# Altium PCB EVK-IRIS-W1.PcbDoc (part 3 of 9)
Units mm, origin at the board's own origin, x right, y up, seen from the top; angles counter-clockwise.
Board outline 94.11 x 129.93 mm, 6 copper layers (L1, L2, L3, L4, L5, L6), stack 1.547 mm thick; 619 components, 422 nets, 2042 pads, 1499 vias.
Unrouted connection lines stored in the file: 4.
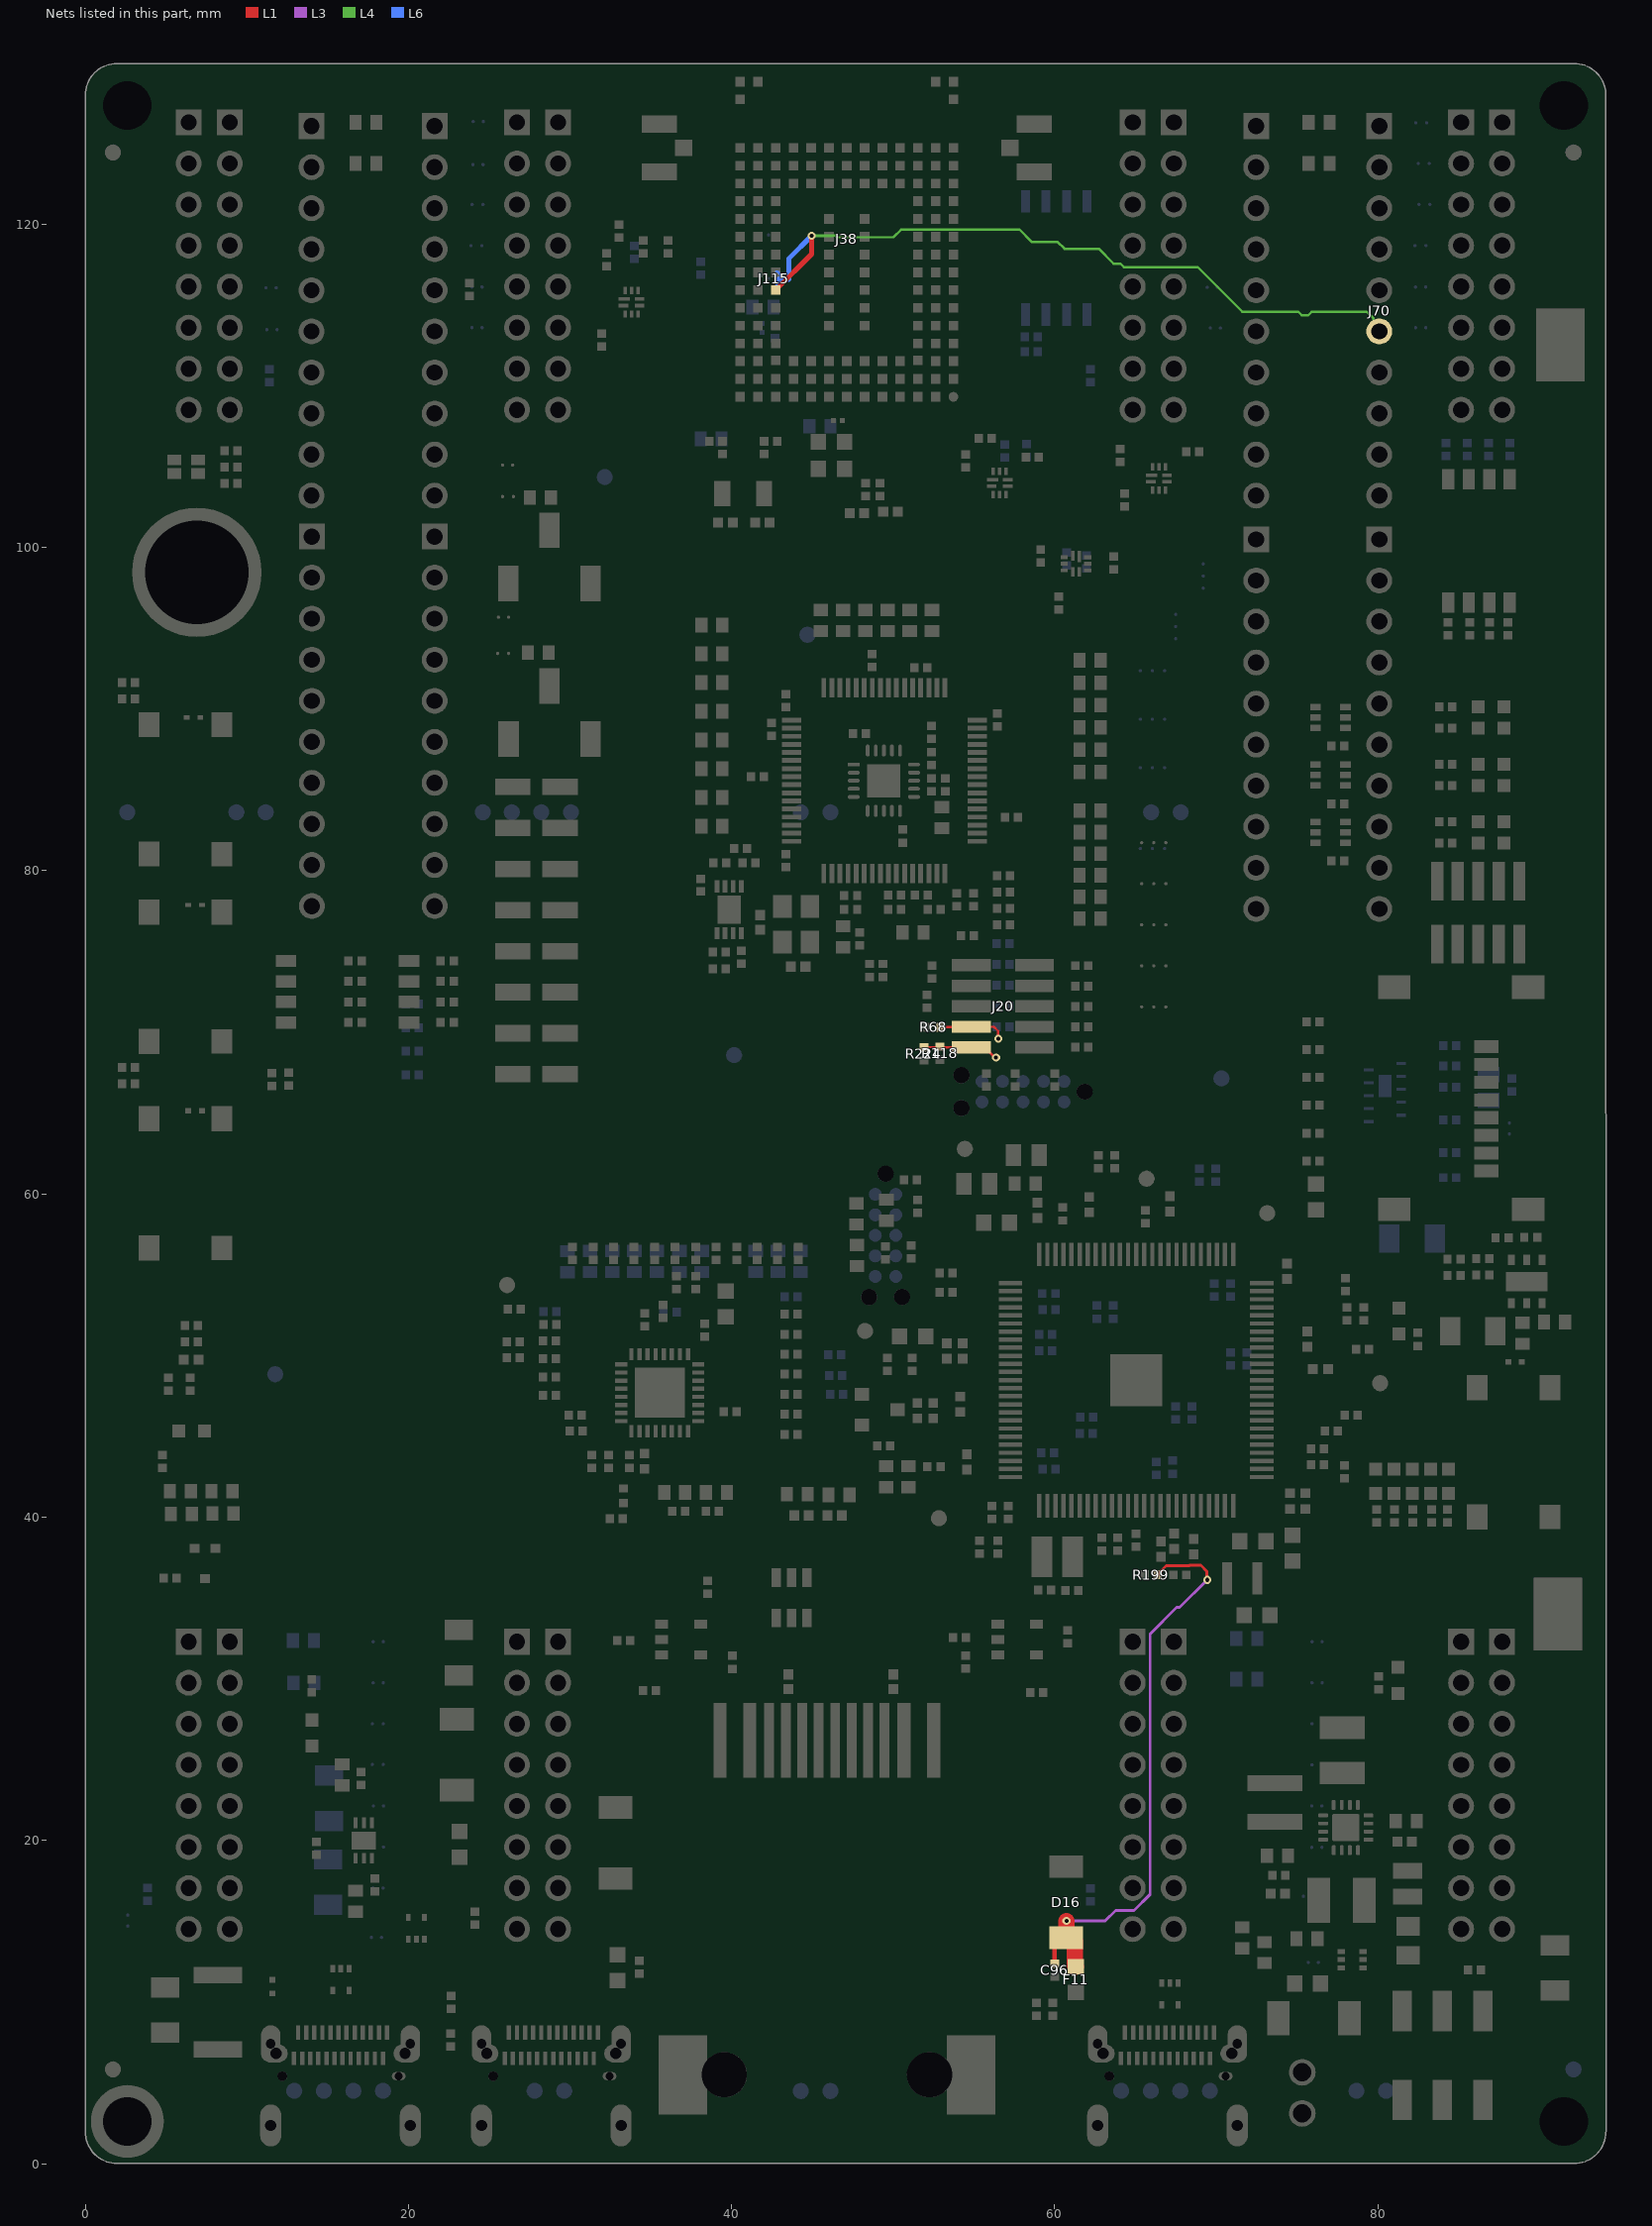
[diagram p7: the nets of this part, all layers, seen from the top]

## Footprints (in the part's own frame and the unit in brackets; to place one, negate y for a bottom-side part, rotate by r counter-clockwise, add the part's x,y. Pads: shape width x height; smd on the part's side, far side on the other; paste and mask are expansions set on the pad) (continued)
Solderbridge-Short [mm]
  round 0.2 smd paste-10: 1(0,0) 2(0.676,0)
  L1 region: 0.236,-0.432 0.16,-0.505 0.042,-0.467 -0.023,-0.424 -0.097,-0.351 -0.15,-0.292 -0.208,-0.193 -0.236,-0.099 -0.231,0.122 -0.206,0.193 -0.122,0.33 -0.038,0.411 0.054,0.469 0.155,0.5 0.206,0.483 0.236,0.43
  L1 region: 0.44,0.432 0.516,0.505 0.634,0.467 0.699,0.424 0.772,0.351 0.826,0.292 0.884,0.193 0.912,0.099 0.907,-0.122 0.881,-0.193 0.798,-0.33 0.714,-0.411 0.622,-0.469 0.521,-0.5 0.47,-0.483 0.44,-0.43
  L1 lines w0.15: 0.676,0 0,0
  L1 lines w0.152: 0.848,0.043 cw(c0.406,0) 0.85,0 cw(c0.406,0) 0.516,-0.431
SON50P201X181X60-7N [mm]
  rect 0.65x0.25 smd: 1(-1.1,0.5) 3(-1.1,-0.5) 4(1.1,-0.5)
  rect 0.65x0.25 smd mask+0: 2(-1.1,0) 5(1.1,0) 6(1.1,0.5)
  rect 1.1x1.5 smd: 7(0,0)
  silkscreen extent -1.55,1 -1.3,1.25, body extent -1.06,-0.91 1.06,0.91, height 0.61
SOP1.27P6.2x6.2-8Pin [mm] "SOP, 8-Leads, Body 6.2x6.2mm, Pitch 1.27mm"
  rect 1.27x0.76 smd: 1(-3.81,1.905) 2(-3.81,0.635) 3(-3.81,-0.635) 4(-3.81,-1.905) 5(3.81,-1.905) 6(3.81,-0.635) 7(3.81,0.635) 8(3.81,1.905)
  silkscreen extent -3.94,-3.1 2.77,3.1, body extent -3.1,-3.1 3.1,3.1, height 2.3
SOT95P280X145-6N [mm]
  rect 1.15x0.6 smd: 1(-1.25,0.95) 2(-1.25,0) 3(-1.25,-0.95) 4(1.25,-0.95) 5(1.25,0) 6(1.25,0.95)
  silkscreen extent -1.83,-1.48 0.33,1.6, body extent -1.4,-1.48 1.4,1.48, height 1.45
SOT-23 [mm] "SOT23, 3-Leads, Body 2.92x2.40mm, Pitch 0.95mm, IPC Medium Density"
  rect 0.9x0.8 smd: 1(-1.1,0.95) 2(-1.1,-0.95) 3(1.1,0)
  silkscreen extent -0.7,-1.55 0.7,1.55, body extent -0.7,-1.52 0.7,1.53, height 1.2
SOT-323 [mm] "SOT23, 3-Leads, Body 2.00x2.10mm, Pitch 0.65mm"
  rect 0.55x0.6 smd: 1(-0.925,0.65) 2(-0.925,-0.65) 3(0.925,0)
  silkscreen extent -0.33,-1.05 0.67,1.05, body extent -0.67,-1.05 0.67,1.05, height 1
SOT-553 [mm] "SOT-553, 5 lead 0.50mm pitch, 1.3mm x 1.7mm"
  rect 0.45x0.3 smd mask+0.05: 1(-0.675,0.5) 2(-0.675,0) 3(-0.675,-0.5) 4(0.675,-0.5) 5(0.675,0.5)
  silkscreen extent -0.92,-0.85 0.3,1.18, body extent -0.68,-0.85 0.67,0.85, height 0.6
SOT-563 [mm] "SOTFL, 6-Leads, Body 1.60x1.60mm, Pitch 0.50mm"
  rect 0.45x0.3 smd: 1(-0.675,0.5) 4(0.675,-0.5) 5(0.675,0) 6(0.675,0.5)
  rect 0.45x0.3 smd mask+0.05: 2(-0.675,0) 3(-0.675,-0.5)
  silkscreen extent -0.89,-0.85 0.05,1.14, body extent -0.8,-0.8 0.8,0.8, height 0.59
sot-753 [mm] "Plastic surface-mounted package; 5 leads"
  rect 0.8x0.55 smd paste+0: 1(-1.2,0.95) 2(-1.2,0) 3(-1.2,-0.95) 4(1.2,-0.95) 5(1.2,0.95)
  silkscreen extent -1.8,-1.68 0.98,1.93, body extent -1.5,-1.55 1.5,1.55, height 1.09
SW_Slide_DPDT_JS202011SCQN [mm] "SWITCH SLIDE DPDT 300MA 6V SMD"
  rect 1.2x2.5 smd mask+0: 1(-2.5,-2.75) 2(0,-2.75) 4(-2.5,2.75) 5(0,2.75)
  rect 1.2x2.5 smd: 3(2.5,-2.75) 6(2.5,2.75)
  silkscreen extent -4.5,-2.47 4.5,1.8, body extent -4.52,-3.75 4.52,3.75, height 5.5
SW_TACT_SMT_6mm [mm] "Tactile Switch, SMT 6mm x 6mm, height 4.3mm, actuator 160gf"
  rect 1.55x1.3 smd: 1(-4,2.25) 3(-4,-2.25) 4(4,-2.25)
  rect 1.5x1.3 smd: 2(4,2.25)
  silkscreen extent -4.5,-3.3 4.5,3.3, body extent -4.5,-3.1 4.5,3.1, height 4.29
TC2050-IDC-NL [mm] "CON PADS FOR CBL PLUG-OF-NAILS 10-PIN NO LEGS"
  round 0.8 smd paste-0.9: 1(0,0) 2(1.27,0) 3(2.54,0) 4(3.81,0) 5(5.08,0) 6(5.08,1.27) 7(3.81,1.27) 8(2.54,1.27) 9(1.27,1.27) 10(0,1.27)
  round 1 hole 1 paste-1.1: A(-1.27,0.635) B(6.35,-0.381) C(6.35,1.651)
  L1 pour cut-out: 0,1.27 5.08,1.27 5.08,0 0,0
TP4.5x3Sq#1 [mm] "Test Point, 4.5mm x 3.0mm Square"
  rect 4.5x3 smd: 1(0,-18.857)
TP4.5x3Sq#2 [mm] "Test Point, 4.5mm x 3.0mm Square"
  rect 4.5x3 smd: 1(0,0)
TP4.5x3Sq#3 [mm] "Test Point, 4.5mm x 3.0mm Square"
  rect 4.5x3 smd far side: 1(-10.042,0)
TP10R#1 [mm] "Testpoint, Round 1.0mm Dia"
  round 1 smd paste-0.5: 1(0,0)
  silkscreen extent -0.7,-0.7 0.7,0.7, body extent -0.5,-0.5 0.5,0.5, height 0.05
TP10R#2 [mm] "Testpoint, Round 1.0mm Dia"
  round 1 smd paste-0.5: 1(0.009,0)
  silkscreen extent -0.7,-0.7 0.7,0.7, body extent -0.5,-0.5 0.5,0.5, height 0.05
TP10R#3 [mm] "Testpoint, Round 1.0mm Dia"
  round 1 smd paste-0.5: 1(0,-0.016)
  silkscreen extent -0.7,-0.7 0.7,0.7, body extent -0.5,-0.5 0.5,0.5, height 0.05
U.FL_3Pin [mm] "U.FL Coax Jack, 50 ohm, 3 Pins, 3mm x 3.1mm"
  rect 1x1.05 smd: 1(0,-1.5)
  rect 1.05x2.2 smd: 2(-1.475,0) 2(1.475,0)
  body extent -1.5,-1.55 1.5,1.55, height 1.24
XQFN10_SOT1337-1_NXP#1 [mm]
  rect 0.7x0.22 smd mask+0.05: 1(-0.449,0.2)
  rect 0.6x0.22 smd paste+0 mask+0.05: 2(-0.5,-0.2) 6(0.5,-0.2) 7(0.5,0.2)
  rect 0.22x0.45 smd paste+0 mask+0: 3(-0.4,-0.725) 8(0.4,0.725)
  rect 0.22x0.45 smd paste+0 mask+0.05: 4(0,-0.725) 5(0.4,-0.725) 9(0,0.725) 10(-0.4,0.725)
  silkscreen extent -1.67,-1.21 1.05,1.21, body extent -0.67,-0.83 0.67,0.83, height 0.25
XQFN10_SOT1337-1_NXP#2 [mm]
  rect 0.7x0.22 smd mask+0.05: 1(-0.449,0.2)
  rect 0.6x0.22 smd paste+0 mask+0.05: 2(-0.5,-0.2) 6(0.5,-0.2) 7(0.5,0.2)
  rect 0.22x0.45 smd paste+0 mask+0: 3(-0.4,-0.725)
  rect 0.22x0.45 smd paste+0 mask+0.05: 4(0,-0.725) 5(0.4,-0.725) 8(0.4,0.725) 9(0,0.725) 10(-0.4,0.725)
  silkscreen extent -1.67,-1.21 1.05,1.21, body extent -0.67,-0.83 0.67,0.83, height 0.25
XTAL2_CX3225GA_AVX [mil]
  rect 51x98 smd paste+0 mask+0: 1(-37.5,0) 2(37.5,0)
  silkscreen extent -83,62 -77,68, body extent -63,-49 63,49, height 32
XTAL_3215 [mm] "XTAL, 2-Leads, Body 1.50x3.20mm"
  rect 1x1.55 smd: 1(-1.3,0) 2(1.3,0)
  silkscreen extent -1.7,0.98 -1.6,1.07, body extent -1.65,-0.8 1.65,0.8, height 0.9
XTAL_3225 [mm] "Crystal, 4 lead, 3.2mm x 2.5mm"
  rect 1.4x1.15 smd: 1(-1.1,-0.85) 2(1.1,-0.85) 3(1.1,0.85) 4(-1.1,0.85)
  silkscreen extent -2.22,-1.62 1.7,1.6, body extent -1.7,-1.35 1.7,1.35, height 0.8

## Part data
C1 C2 C3 C4 C5 C6 C7 C10 C12 C13 C14 C17 C20 C21 C23 C24 C25 C28 C29 C33 C34 C35 C39 C40 C41 C42 C46 C60 C61 C75 C76 C77 C89 C90 C91 C92 C93 C94 C104 C105 C106 C107: library part 120-00016, "Cap, Ceramic 0.1uF 10V 10% X5R 0402", Manufacturer 1="Murata Electronics North America", Manufacturer 2=Yageo, Manufacturer Part Number 1=GRM155R61A104KA01J, Manufacturer Part Number 2=CC0402KRX5R6BB104, Max Operating Temp=85, Min Operating Temp=-55, Part Name="CAP CER 0.1UF 10V 10% X5R 0402", Supplier Part Number 1=490-6297-1-ND, Temperature Coefficient=X5R, Tolerance="+/- 10%", Voltage=10V, Height=0.55mm, Item Phase="In Production", Part Number=120-00016, Pins=2, Revision=0A, Supplier 1=Digi-Key, Supplier 2=Digi-Key, Supplier Part Number 2=311-1336-1-ND, UBX Code=None, Use in new designs=Yes
  C1 C2 C3 C4 C5 C6 C7 C10 C12 C13 C14 C17 C20 C21 C23 C24 C25 C28 C29 C33 C34 C35 C39 C40 C41 C42 C60 C61 C75 C76 C77 C89 C90 C91 C92 C93 C94 C104 C105 C106 C107: Size=0402
C8: library part UBXH01-0000244, "CAP CER X5R 0402 10U 20% 10V", Manufacturer="Murata Manufacturing Company, Ltd.", Manufacturer 2="Samsung Electro-Mechanics", Manufacturer P/N=GRM155R61A106ME11, Manufacturer P/N 2=CL05A106MP5NUN, Max Voltage=10V, Tolerance=20%, Editor=dario.antonaz, Env=ROHS, Mfg P/N Datasheet=https://wiki.u-blox.com/bin/view/Generic/Docs/DocumentSummary?index=24333, Mfg P/N Datasheet 2=https://wiki.u-blox.com/bin/view/Generic/Docs/DocumentSummary?index=27636, Mfg P/N Released=Yes, Mfg P/N Released 2=Yes, Mfg P/N Split=0, Mfg P/N Split 2=0, Mfg P/N Status=Active, Mfg P/N Status 2=NRND, Part Number=UBXH01-0000244, Part Type=Capacitor, Perferred=PREF, Permitted Use="Volume Products", RefDes=C, Release Data=2016-03-11T16:15:50, Released by=jure.podmenik, Size=0402, UBX Wiki=https://wiki.u-blox.com/bin/view/Operations/PartDetails?index=24334
C9 C57 C58 C59 C63: library part UBXH01-0023025, "CAP CER X7R 0402 10N 10% 16V", Manufacturer="Murata Manufacturing Company, Ltd.", Manufacturer 2="Samsung Electro-Mechanics", Manufacturer P/N=GRM155R71C103KA01, Manufacturer P/N 2=CL05B103KO5NNNC, Max Operating Temp=125°C, Max Voltage=16V, Min Operating Temp=-55°C, Tolerance=10%, Editor=roland.rust, Env=ROHS, Mfg P/N Datasheet 2=https://wiki.u-blox.com/bin/view/Generic/Docs/DocumentSummary?index=28567, Mfg P/N Released=Yes, Mfg P/N Released 2=Yes, Mfg P/N Split=100, Mfg P/N Split 2=0, Mfg P/N Status=NRND, Mfg P/N Status 2=Active, Part Number=UBXH01-0023025, Part Type=Capacitor, Perferred=PREF, Permitted Use="Volume Products", RefDes=C, Release Data=2021-02-16T13:14:11, Released by=anthony.gergis, Size=0402, UBX Wiki=https://wiki.u-blox.com/bin/view/Operations/PartDetails?index=5491
C11: library part 120-00042, "Cap, Ceramic 2.2uF 6.3V 10% X5R 0402", Manufacturer 1="NIC Components Inc", Manufacturer 2="Cal-Chip Electronics", Manufacturer Part Number 1=NMC0402X5R225K6.3TRPF, Manufacturer Part Number 2=GMC04X5R225K6R3NT, Max Operating Temp=85, Min Operating Temp=-55, Part Name="CAP CER 2.2UF 6.3V 10% X5R 0402", Temperature Coefficient=X5R, Tolerance="+/- 10%", Voltage=6.3V, Height=0.55mm, Item Phase="In Production", Part Number=120-00042, Pins=2, Revision=0D, Size=0402, Supplier 1=Arrow, Supplier 2=None, Supplier Part Number 1=NMC0402X5R225K6.3TRPF, Supplier Part Number 2=None, UBX Code=None, Use in new designs=Yes
C15 C30 C31 C32 C38 C47 C84: library part UBXH01-0000243, "CAP CER X5R 0402 4U7 20% 10V", Manufacturer="Murata Manufacturing Company, Ltd.", Manufacturer P/N=GRM155R61A475MEAA, Max Operating Temp=85°C, Max Voltage=10V, Min Operating Temp=-40°C, Tolerance=20%, Editor=martin.pilik, Env=GREEN, Mfg P/N Datasheet=https://wiki.u-blox.com/bin/view/Generic/Docs/DocumentSummary?index=24302, Mfg P/N Released=Yes, Mfg P/N Split=100, Mfg P/N Status=Active, Part Number=UBXH01-0000243, Part Type=Capacitor, Perferred=PREF, Permitted Use="Volume Products", RefDes=C, Release Data=2021-05-10T12:57:47, Released by=fabrice.bret-dibat, Size=0402, UBX Wiki=https://wiki.u-blox.com/bin/view/Operations/PartDetails?index=24303
C16: library part UBXH01-0000007, "CAP CER X5R 0805 4U7 10% 25V", Manufacturer="Murata Manufacturing Company, Ltd.", Manufacturer P/N=GRM21BR61E475KA12, Max Operating Temp=85°C, Max Voltage=25V, Min Operating Temp=-40°C, Tolerance=10%, Editor=par.hakansson, Env=ROHS, Mfg P/N Datasheet=https://wiki.u-blox.com/bin/view/Generic/Docs/DocumentSummary?index=24274, Mfg P/N Released=Yes, Mfg P/N Split=100, Mfg P/N Status=NRND, Part Number=UBXH01-0000007, Part Type=Capacitor, Perferred=PREF, Permitted Use="Volume Products", RefDes=C, Release Data=2016-03-01T15:08:08, Released by=adam.johansson, Size=0805, UBX Wiki=https://wiki.u-blox.com/bin/view/Operations/PartDetails?index=8070
C18: library part UBXH01-0000211, "CAP CER X7R 0402 1N5 10% 50V", Manufacturer="Murata Manufacturing Company, Ltd.", Manufacturer 2="Samsung Electro-Mechanics", Manufacturer P/N=GRM155R71H152KA01, Manufacturer P/N 2=CL05B152KB5NNN, Max Operating Temp=125°C, Max Voltage=50V, Min Operating Temp=-55°C, Tolerance=10%, Editor=domenico.volpe, Env=ROHS, Mfg P/N Datasheet=https://wiki.u-blox.com/bin/view/Generic/Docs/DocumentSummary?index=23371, Mfg P/N Datasheet 2=https://wiki.u-blox.com/bin/view/Generic/Docs/DocumentSummary?index=23370, Mfg P/N Released=Yes, Mfg P/N Released 2=Yes, Mfg P/N Split=100, Mfg P/N Split 2=0, Mfg P/N Status=NRND, Mfg P/N Status 2=Active, Part Number=UBXH01-0000211, Part Type=Capacitor, Perferred=PREF, Permitted Use="Volume Products", RefDes=C, Release Data=2015-11-04T16:43:52, Released by=massimo.vlacci, Size=0402, UBX Wiki=https://wiki.u-blox.com/bin/view/Operations/PartDetails?index=23369
C19 C22 C82 C83 C97 C98: library part UBXH01-0000310, "CAP CER X7R 0603 10U 20% 10V", Manufacturer="Murata Manufacturing Company, Ltd.", Manufacturer P/N=GRM188Z71A106MA73, Manufacturer P/N 2=GRM188Z71A106KA73, Max Operating Temp=125°C, Max Voltage=10V, Min Operating Temp=-55°C, Tolerance=20%, Editor=michael.hein, Env=ROHS, Manufacturer 2="Murata Manufacturing Company, Ltd.", Mfg P/N Datasheet=https://wiki.u-blox.com/bin/view/Generic/Docs/DocumentSummary?index=26282, Mfg P/N Datasheet 2=https://wiki.u-blox.com/bin/view/Generic/Docs/DocumentSummary?index=28416, Mfg P/N Released=Yes, Mfg P/N Released 2=Yes, Mfg P/N Split=100, Mfg P/N Split 2=0, Mfg P/N Status=Active, Mfg P/N Status 2=Active, Part Number=UBXH01-0000310, Part Type=Capacitor, Perferred=PREF, Permitted Use="Volume Products", RefDes=C, Released by=martin.grasse, Size=0603, UBX Wiki=https://wiki.u-blox.com/bin/view/Operations/PartDetails?index=26280
  C19 C22 C82 C83: Release Data=2017-02-09T11:14:05
  C97 C98: Release Data="2017-02-09 11:14:05.871832"
C26 C27 C48 C49 C51 C52 C53 C54 C55 C56 C62 C64 C78 C81 C87 C88: library part UBXH01-0000233, "CAP CER X7R 0402 100N 10% 16V", Manufacturer="Murata Manufacturing Company, Ltd.", Manufacturer P/N=GRM155R71C104KA88D, Max Operating Temp=125°C, Max Voltage=16V, Min Operating Temp=-55°C, Tolerance=10%, Editor=philippe.largier, Env=ROHS, Mfg P/N Released=Yes, Mfg P/N Split=100, Mfg P/N Status=NRND, Part Number=UBXH01-0000233, Part Type=Capacitor, Perferred=PREF, Permitted Use="Volume Products", RefDes=C, Release Data=2016-10-06T14:40:00, Released by=charlotte.biber, Size=0402, UBX Wiki=https://wiki.u-blox.com/bin/view/Operations/PartDetails?index=24094
C36 C37 C73 C74: library part UBXH01-0004017, "CAP CER C0G 0402 18P 5% 25V", Manufacturer="Murata Manufacturing Company, Ltd.", Manufacturer P/N=GRM1555C1H180JA01, Manufacturer P/N 2=GRM1555C1E180JZ01, Manufacturer P/N 3=GRM1555C1H180JZ01, Max Operating Temp=125°C, Max Voltage=25V, Min Operating Temp=-55°C, Tolerance=5%, Editor=doris.zahnd, Env=ROHS, Manufacturer 2="Murata Manufacturing Company, Ltd.", Manufacturer 3="Murata Manufacturing Company, Ltd.", Mfg P/N Released=Yes, Mfg P/N Released 2=Yes, Mfg P/N Released 3=Yes, Mfg P/N Split=100, Mfg P/N Split 2=0, Mfg P/N Split 3=0, Mfg P/N Status=NRND, Mfg P/N Status 2=Obsolete, Mfg P/N Status 3=Obsolete, Part Number=UBXH01-0004017, Part Type=Capacitor, Perferred=PREF, Permitted Use="Volume Products", RefDes=C, Release Data=2009-12-03T17:48:42, Released by=daniel.hurni, Size=0402, UBX Wiki=https://wiki.u-blox.com/bin/view/Operations/PartDetails?index=5178
C43 C44: library part 120-00129, "CAP CER 10uF 25V 10% X5R 0805", Manufacturer 1="Samsung Electro-Mechanics America, Inc.", Manufacturer 2="Murata Electronics North America", Manufacturer Part Number 1=CL21A106KAYNNNE, Manufacturer Part Number 2=GRM21BR61E106KA73L, Max Operating Temp=85, Min Operating Temp=-55, Supplier Part Number 1=1276-2891-1-ND, Temperature Coefficient=X5R, Tolerance="+/- 10%", Voltage=25V, Height=1.45mm, Item Phase=Unreleased, Part Name="CAP CER 10uF 25V 10% X5R 0805", Part Number=120-00129, Pins=2, Revision=None, Size=0805, Supplier 1=Digi-Key, Supplier 2=Digi-Key, Supplier Part Number 2=490-5523-1-ND, UBX Code=None, Use in new designs=Yes
C45: library part UBXH01-0000278, "CAP CER X6S 0603 AUTOMOTIVE 4U7 10%", Manufacturer="Murata Manufacturing Company, Ltd.", Manufacturer 2="TDK Corporation", Manufacturer P/N=GRM188C80J475KE15, Manufacturer P/N 2=C1608X7S0J475K080AC, Manufacturer P/N 3=GRT188C80J475KE01, Max Operating Temp=105°C, Min Operating Temp=-40°C, Tolerance=10%, Editor=philippe.largier, Env=GREEN, Manufacturer 3="Murata Manufacturing Company, Ltd.", Mfg P/N Datasheet=https://wiki.u-blox.com/bin/view/Generic/Docs/DocumentSummary?index=25460, Mfg P/N Datasheet 2=https://wiki.u-blox.com/bin/view/Generic/Docs/DocumentSummary?index=28284, Mfg P/N Datasheet 3=https://wiki.u-blox.com/bin/view/Generic/Docs/DocumentSummary?index=28287, Mfg P/N Released=Yes, Mfg P/N Released 2=Yes, Mfg P/N Released 3=Yes, Mfg P/N Split=100, Mfg P/N Split 2=0, Mfg P/N Split 3=0, Mfg P/N Status=NRND, Mfg P/N Status 2=NRND, Mfg P/N Status 3=NRND, Part Number=UBXH01-0000278, Part Type=Capacitor, Perferred=PREF, Permitted Use="Volume Products", RefDes=C, Release Data=2017-09-22T08:58:54, Released by=alvaro.nussbaum, Size=0603, UBX Wiki=https://wiki.u-blox.com/bin/view/Operations/PartDetails?index=25459
C50: library part CMP-04427-019248-1, "CAP CER 4700PF 2KV X7R 1812", Capacitance=4.7nF, Case Code (Imperial)=1812, Case Code (Metric)=4532, Dielectric=X7R, Dielectric Material=Ceramic, Manufacturer="KYOCERA AVX", Max Operating Temperature=125°C, Min Operating Temperature=-55°C, Package Quantity=1000, Temperature Coefficient=30ppm/°C, Tolerance=10%, Voltage=2kV, Case/Package=1812, Construction=Flat, Depth=3.2mm, Height=2.54mm, Lead Free="Lead Free", Length=4.5mm, Manufacturer P/N=1812GC472KAT1A\1K, Mount="Surface Mount", Packaging="Tape and Reel", Radiation Hardening=No, REACH SVHC="No SVHC", RoHS Compliant=Yes, Series=1812, Termination=SMD/SMT, Thickness=0.1inch, Voltage Rating=2kV, Voltage Rating (DC)=2kV, Width=0.126inch
C65 C66 C86: library part UBXH01-0008022, "CAP CER C0G 0402 47P 10% 25V", Manufacturer="Murata Manufacturing Company, Ltd.", Manufacturer P/N=GRM1555C1E470KZ01, Manufacturer P/N 2=GRM1555C1H470KZ01, Manufacturer P/N 3=GRM1555C1E470JZ01, Max Voltage=25V, Tolerance=10%, Editor=andreas.thiel, Env=ROHS, Manufacturer 2="Murata Manufacturing Company, Ltd.", Manufacturer 3="Murata Manufacturing Company, Ltd.", Mfg P/N Released=No, Mfg P/N Released 2=No, Mfg P/N Released 3=No, Mfg P/N Split=0, Mfg P/N Split 2=0, Mfg P/N Split 3=0, Mfg P/N Status=Obsolete, Mfg P/N Status 2=Obsolete, Mfg P/N Status 3=Obsolete, Part Number=UBXH01-0008022, Part Type=Capacitor, Perferred=NONPREF, Permitted Use="Volume Products", RefDes=C, Size=0402, UBX Wiki=https://wiki.u-blox.com/bin/view/Operations/PartDetails?index=5404
C67 C68: library part UBXH01-0004011, "CAP CER C0G 0402 5P6 +/-0.25P 25V", Manufacturer="Murata Manufacturing Company, Ltd.", Manufacturer P/N=GRM1555C1H5R6CZ01, Manufacturer P/N 2=GRM1555C1E5R6CZ01, Max Voltage=25V, Tolerance=+/-0.25P, Editor=roland.rust, Env=ROHS, Manufacturer 2="Murata Manufacturing Company, Ltd.", Mfg P/N Released=Obsolete, Mfg P/N Released 2=Obsolete, Mfg P/N Split=0, Mfg P/N Split 2=0, Mfg P/N Status=Obsolete, Mfg P/N Status 2=Obsolete, Part Number=UBXH01-0004011, Part Type=Capacitor, Perferred=PREF, Permitted Use="Volume Products", RefDes=C, Release Data=2007-10-22T12:46:36, Released by=roland.rust, Size=0402, UBX Wiki=https://wiki.u-blox.com/bin/view/Operations/PartDetails?index=5160
C69: library part UBXH01-0000041, "CAP CER X5R 0603 22U 20% 4V", Manufacturer="Taiyo Yuden Company, Ltd.", Manufacturer P/N=AMK107BBJ226MA-T, Max Voltage=4V, Tolerance=20%, Editor=pierpaolo.arban, Env=ROHS, Mfg P/N Datasheet=https://wiki.u-blox.com/bin/view/Generic/Docs/DocumentSummary?index=16906, Mfg P/N Released=No, Mfg P/N Split=100, Mfg P/N Status=NRND, Part Number=UBXH01-0000041, Part Type=Capacitor, Perferred=PREF, Permitted Use="Volume Products", RefDes=C, Size=0603, UBX Wiki=https://wiki.u-blox.com/bin/view/Operations/PartDetails?index=16911
C70 C85: library part UBXH01-0000245, "CAP CER X5R 0201 100N 10% 10V", Manufacturer="Murata Manufacturing Company, Ltd.", Manufacturer 2="Taiyo Yuden Company, Ltd.", Manufacturer 3="Samsung Electro-Mechanics", Manufacturer P/N=GRM033R61A104KE84, Manufacturer P/N 2=LMK063BJ104KP-F, Manufacturer P/N 3=CL03A104KA3NNN, Max Operating Temp=85°C, Max Voltage=10V, Min Operating Temp=-40°C, Tolerance=10%, Editor=dario.antonaz, Env=ROHS, Mfg P/N Datasheet=https://wiki.u-blox.com/bin/view/Generic/Docs/DocumentSummary?index=24348, Mfg P/N Datasheet 2=https://wiki.u-blox.com/bin/view/Generic/Docs/DocumentSummary?index=27440, Mfg P/N Datasheet 3=https://wiki.u-blox.com/bin/view/Generic/Docs/DocumentSummary?index=28183, Mfg P/N Released=Yes, Mfg P/N Released 2=Yes, Mfg P/N Released 3=Yes, Mfg P/N Split=0, Mfg P/N Split 2=0, Mfg P/N Split 3=0, Mfg P/N Status=Active, Mfg P/N Status 2=Active, Mfg P/N Status 3=Active, Part Number=UBXH01-0000245, Part Type=Capacitor, Perferred=PREF, Permitted Use="Volume Products", RefDes=C, Release Data=2016-03-11T16:09:03, Released by=jure.podmenik, Size=0201, UBX Wiki=https://wiki.u-blox.com/bin/view/Operations/PartDetails?index=24347
C71: library part 120-00133, "Capacitor, Ceramic, 10uF 16V 10% X7R, 0805", Manufacturer 1="Samsung Electro-Mechanics America, Inc.", Manufacturer 2=Yageo, Manufacturer Part Number 1=CL21B106KOQNNNE, Manufacturer Part Number 2=CC0805KKX7R7BB106, Max Operating Temp=125, Min Operating Temp=-55, Part Name="CAP CER 10uF 16V 10% X7R 0805", Supplier Part Number 1=1276-2872-1-ND, Temperature Coefficient=X7R, Tolerance="+/- 10%", Voltage=16V, Height=1.40mm, Item Phase=Pre-Production, Part Number=120-00133, Pins=2, Revision=1, Size=0805, Supplier 1=Digi-Key, Supplier 2=Digi-Key, Supplier Part Number 2=311-3501-2-ND, UBX Code=None, Use in new designs=Yes
C72 C99 C100 C101 C112 C113 C114: library part 120-00077, "Cap, Ceramic 0.1uF 16V 10% X7R 0402.", Manufacturer 1="Murata Electronics North America", Manufacturer 2="AVX Corporation", Manufacturer Part Number 1=GRM155R71C104KA88D, Manufacturer Part Number 2=0402YC104KAT2A, Max Operating Temp=125, Min Operating Temp=-55, Part Name="CAP CER 0.1uF 16V 10% X7R 0402", Supplier Part Number 1=490-3261-1-ND, Temperature Coefficient=X7R, Tolerance="+/- 10%", Voltage=16V, Height=0.55mm, Item Phase="In Production", Part Number=120-00077, Pins=2, Revision=0C, Size=0402, Supplier 1=Digi-Key, Supplier 2=Digi-Key, Supplier Part Number 2=478-7888-1-ND, UBX Code=None, Use in new designs=Yes
C79 C80 C102 C103: library part UBXH01-0000150, "CAP CER X5R 0603 22U 20% 10V", Manufacturer="Murata Manufacturing Company, Ltd.", Manufacturer P/N=GRM188R61A226ME15D, Max Voltage=10V, Tolerance=20%, Editor=dario.antonaz, Env=ROHS, Mfg P/N Datasheet=https://wiki.u-blox.com/bin/view/Generic/Docs/DocumentSummary?index=21277, Mfg P/N Released=Yes, Mfg P/N Split=100, Mfg P/N Status=Active, Part Number=UBXH01-0000150, Part Type=Capacitor, Perferred=PREF, Permitted Use="Volume Products", RefDes=C, Release Data=2016-03-09T11:21:55, Released by=pasquale.scorca, Size=0603, UBX Wiki=https://wiki.u-blox.com/bin/view/Operations/PartDetails?index=21275